# Altium PCB Intelliclone.PcbDoc (part 1 of 3)
Units mil, origin at the board's own origin, x right, y up, seen from the top; angles counter-clockwise.
Board outline 10500 x 3750 mil, 2 copper layers (Top Layer, Bottom Layer), stack 60.8 mil thick; 177 components, 173 nets, 727 pads, 193 vias.
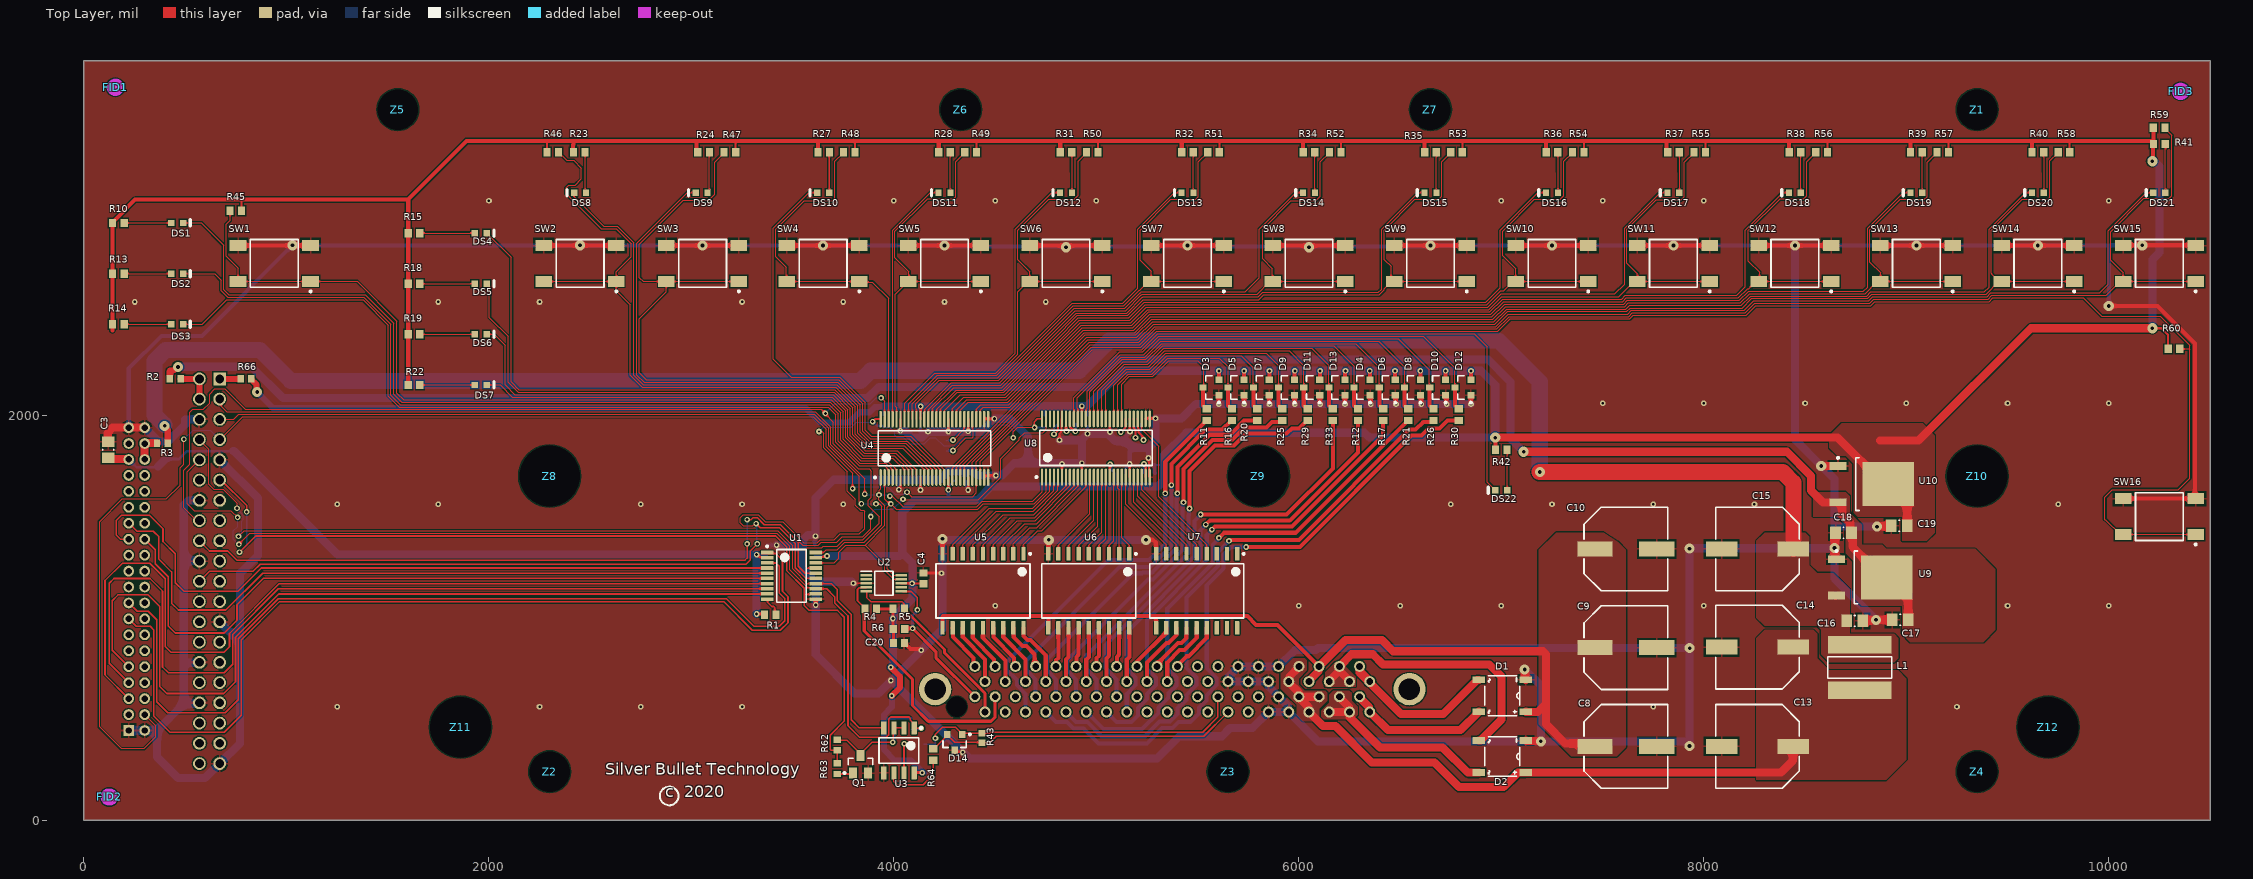
[diagram p0: Top Layer view]
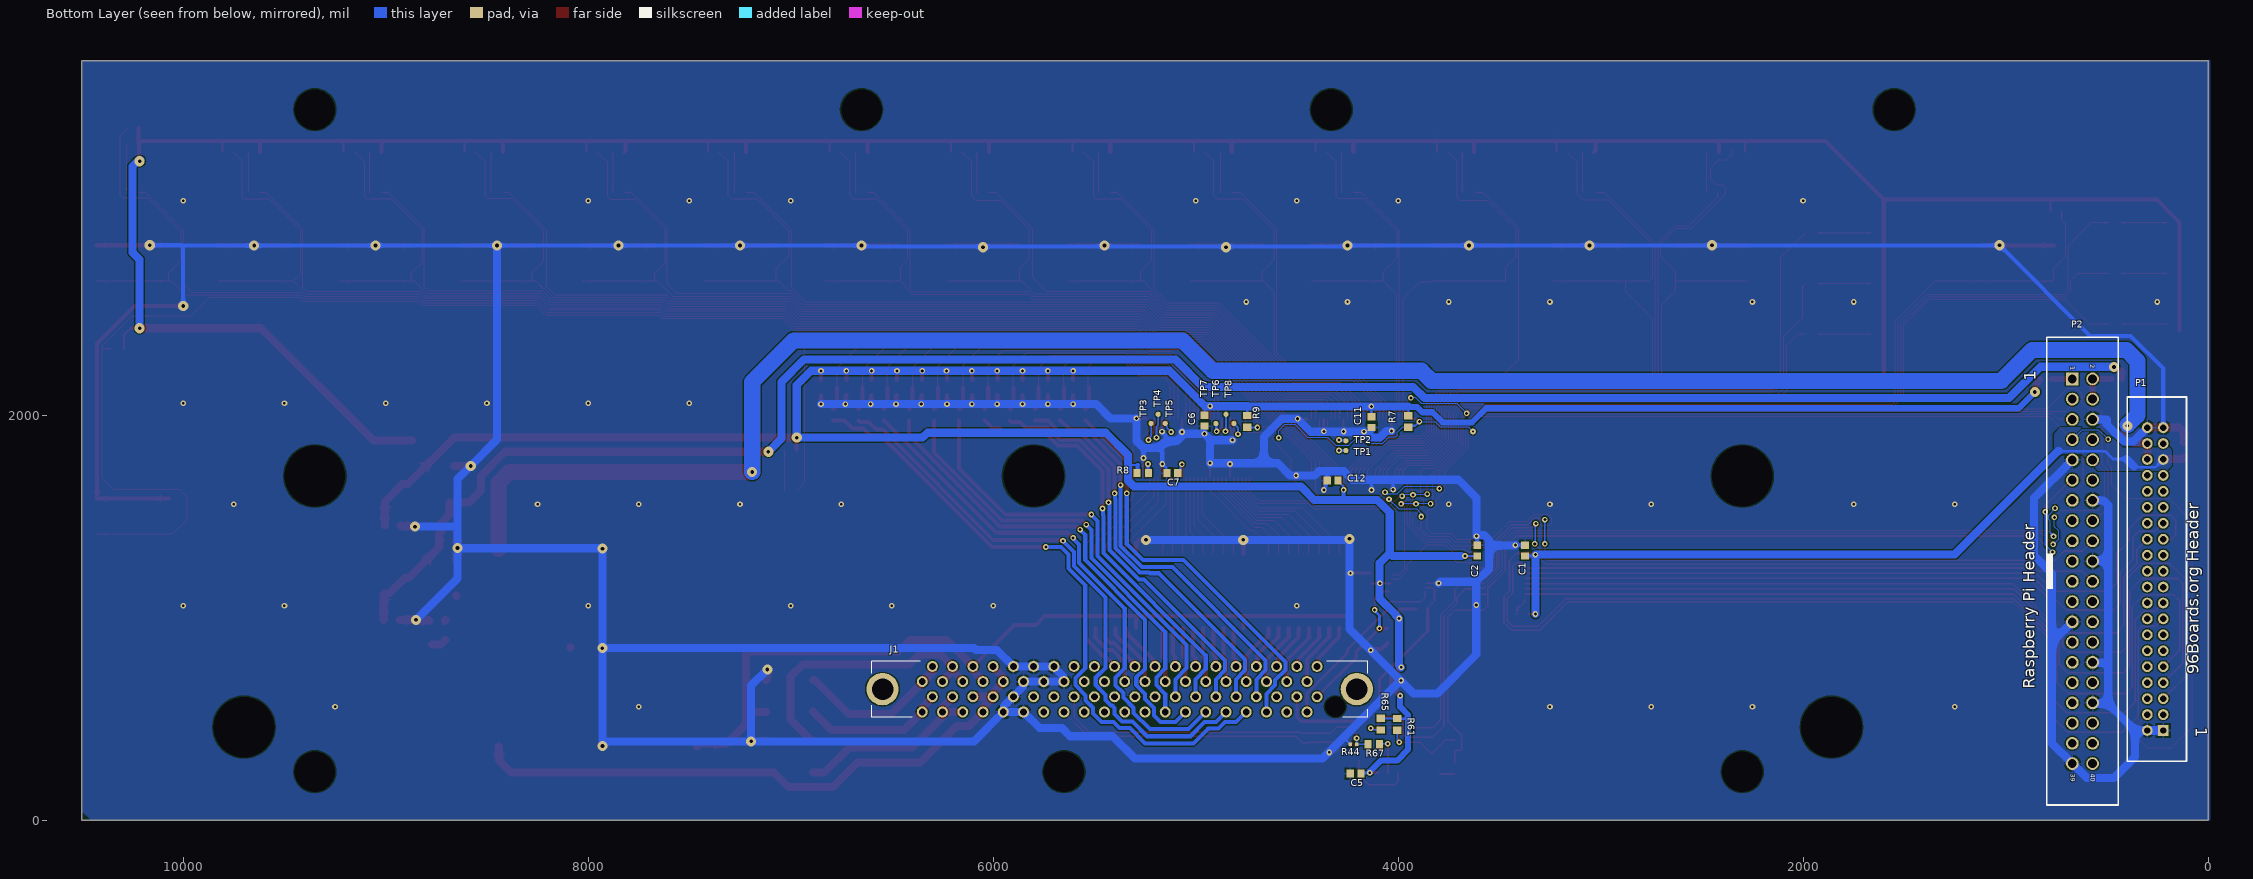
[diagram p1: Bottom Layer view, seen from below]

## Layer stack, top to bottom
Top Solder: solder mask 0.4, Solder Resist, Dk 3.5
Top Layer: signal copper 1.4
Dielectric 1: dielectric 58, FR-4, Dk 4.8
Bottom Layer: signal copper 1.4
Bottom Solder: solder mask 0.4, Solder Resist, Dk 3.5

## Board outline
0,0 10500,0 10500,3750 0,3750

## Design rules (kind name [scope] priority, off if disabled: settings)
Clearance [All] p1: gap=6 ignorepadtopadclearanceinfootprint=FALSE
HoleSize [All] p1: absolutevalues=TRUE maxlimit=300 minlimit=12 maxpercent=80.000 minpercent=20.000
MinimumAnnularRing [All] p1: minimumring=6
MinimumSolderMaskSliver [All] p1 off: minsoldermaskwidth=10
PlaneConnect [All] p1: planeconnectstyle=Direct reliefexpansion=20 reliefentries=4 reliefconductorwidth=10 reliefairgap=10
PolygonConnect PolygonConnect_GND [IsPad vs InNet('GND')] p1: connectstyle=Relief reliefconductorwidth=10 reliefentries=4 polygonreliefangle="90 Angle" airgapwidth=10
PolygonConnect [All] p2: connectstyle=Direct reliefconductorwidth=10 reliefentries=4 polygonreliefangle="90 Angle" airgapwidth=10
RoomDefinition "Leds Switches" [InComponentClass('Leds Switches')] p1 off: confinementstyle=ConfineIn formatcopy=TRUE lockcomponents=FALSE outline 10911.46,2625 11365,2625 11365,2885 10911.46,2885
RoomDefinition "Title Sheet" [InComponentClass('Title Sheet')] p2 off: confinementstyle=ConfineIn formatcopy=TRUE lockcomponents=FALSE outline 10840,2605 11625,2605 11625,2805 10840,2805
RoomDefinition Interfaces [InComponentClass('Interfaces')] p3 off: confinementstyle=ConfineIn formatcopy=TRUE lockcomponents=FALSE outline 10975,2290 11410,2290 11410,2885 10975,2885
RoutingVias [All] p1: holewidth=12 width=28 viastyle="Through Hole" minholewidth=12 minwidth=28 maxholewidth=28 maxwidth=50
SilkToSolderMaskClearance [IsPad] p1: minsilkscreentomaskgap=6 clearancetoexposedcopper=TRUE
SolderMaskExpansion [All] p1: expansion=4 istentingtop=FALSE
UnRoutedNet [All] p1: checkbadconnections=TRUE
Width [All] p1: maxlimit=100 minlimit=6 preferedwidth=6 minimp=50.000000 maximp=50.000000 favimp=50.000000
25 further rules are at their usual default settings.

## Classes and differential pairs
component class Interfaces: C1 C2 C3 C4 C5 C6 C7 C8 C9 C10 C11 C12 C13 C14 C15 C16 C17 C18 C19 C20 D1 D2 D14 J1 L1 P1 P2 Q1 R1 R2 R3 R4 R5 R6 R7 R8 R9 R43 R44 R61 R62 R63 R64 R65 R66 R67 TP1 TP2 TP3 TP4 TP5 TP6 TP7 TP8 U1 U2 U3 U4 U5 U6 U7 U8 U9 U10
component class "Title Sheet": FID1 FID2 FID3 Z1 Z2 Z3 Z4 Z5 Z6 Z7 Z8 Z9 Z10 Z11 Z12
component class "Leds Switches": D3 D4 D5 D6 D7 D8 D9 D10 D11 D12 D13 DS1 DS2 DS3 DS4 DS5 DS6 DS7 DS8 DS9 DS10 DS11 DS12 DS13 DS14 DS15 DS16 DS17 DS18 DS19 DS20 DS21 DS22 R10 R11 R12 R13 R14 R15 R16 R17 R18 R19 R20 R21 R22 R23 R24 R25 R26 R27 R28 R29 R30 R31 R32 R33 R34 R35 R36 R37 R38 R39 R40 R41 R42 R45 R46 R47 R48 R49 R50 R51 R52 R53 R54 R55 R56 R57 R58 R59 R60 SW1 SW2 SW3 SW4 SW5 SW6 SW7 SW8 SW9 SW10 SW11 SW12 SW13 SW14 SW15 SW16

## Components (designator, comment, footprint, x,y, rotation, side; value= is the part's Value field where it differs from the comment)
C1 "C0603X104K5RACTU" CAPC1608X87X35NL15T15 3373,1332 r270 bottom value=0.1uF
C2 "C0603X104K5RACTU" CAPC1608X87X35NL15T15 3609,1332 r270 bottom value=0.1uF
C3 "CAP 330nF 50V 0805(2012)" CAPC0805(2012)100_M 120,1830 r270 top value=330nF
C4 "C0603X104K5RACTU" CAPC1608X87X35NL15T15 4145,1195 r270 top value=0.1uF
C5 "C0603X104K5RACTU" CAPC1608X87X35NL15T15 4210,230 r180 bottom value=0.1uF
C6 "C0603X104K5RACTU" CAPC1608X87X35NL15T15 4955,1973.43 r90 bottom value=0.1uF
C7 "C0603X104K5RACTU" CAPC1608X87X35NL15T15 5115,1715 r180 bottom value=0.1uF
C8 "EEE-1HA221P" PNSC-EEE-1HA221P_L 7615,365 r0 top
C9 "EEE-1HA221P" PNSC-EEE-1HA221P_L 7615,852.5 r0 top
C10 "EEE-1HA221P" PNSC-EEE-1HA221P_L 7615,1340 r0 top
C11 "C0603X104K5RACTU" CAPC1608X87X35NL15T15 4131,1966.43 r90 bottom value=0.1uF
C12 "C0603X104K5RACTU" CAPC1608X87X35NL15T15 4323,1678 r180 bottom value=0.1uF
C13 "EEE-FK1V331P" PNSC-EEE-FK1V331P_L 8265,365 r180 top
C14 "EEE-FK1V331P" PNSC-EEE-FK1V331P_L 8265,855 r180 top
C15 "EEE-FK1V331P" PNSC-EEE-FK1V331P_L 8265,1340 r180 top
C16 "CAP 330nF 50V 0805(2012)" CAPC0805(2012)100_M 8745,985 r180 top value=330nF
C17 "CAP 330nF 50V 0805(2012)" CAPC0805(2012)100_M 8970,990 r0 top value=330nF
C18 "CAP 330nF 50V 0805(2012)" CAPC0805(2012)100_M 8690,1420 r0 top value=330nF
C19 "CAP 330nF 50V 0805(2012)" CAPC0805(2012)100_M 8965,1455 r0 top value=330nF
C20 "C0603X104K5RACTU" CAPC1608X87X35NL15T15 4025,875 r180 top value=0.1uF
D1 "MDB6S" FAIR-MDBXS-4_V 7005,615 r90 top
D2 "MDB6S" FAIR-MDBXS-4_V 7005,315 r90 top
D3 "BAT54SLT1G" ONSC-SOT-23-3-318-08_V 5565.63,2137.4 r180 top
D4 "BAT54SLT1G" ONSC-SOT-23-3-318-08_V 6312.25,2137.4 r180 top
D5 "BAT54SLT1G" ONSC-SOT-23-3-318-08_V 5690.07,2137.4 r180 top
D6 "BAT54SLT1G" ONSC-SOT-23-3-318-08_V 6436.69,2137.4 r180 top
D7 "BAT54SLT1G" ONSC-SOT-23-3-318-08_V 5814.5,2137.4 r180 top
D8 "BAT54SLT1G" ONSC-SOT-23-3-318-08_V 6561.13,2137.4 r180 top
D9 "BAT54SLT1G" ONSC-SOT-23-3-318-08_V 5938.94,2137.4 r180 top
D10 "BAT54SLT1G" ONSC-SOT-23-3-318-08_V 6685.56,2137.4 r180 top
D11 "BAT54SLT1G" ONSC-SOT-23-3-318-08_V 6063.38,2137.4 r180 top
D12 "BAT54SLT1G" ONSC-SOT-23-3-318-08_V 6810,2137.4 r180 top
D13 "BAT54SLT1G" ONSC-SOT-23-3-318-08_V 6187.81,2137.4 r180 top
D14 "MMBZ5V6ALT1G" ONSC-SOT-23-3-318-08_V 4300,385 r270 top
DS1 "LTST-C190KRKT" LTST-C191KRKT_V 460,2950 r0 top
DS2 "LTST-C190KRKT" LTST-C191KRKT_V 460,2700 r0 top
DS3 "LTST-C190KRKT" LTST-C191KRKT_V 460,2450 r0 top
DS4 "LTST-C190KRKT" LTST-C191KRKT_V 1960,2900 r0 top
DS5 "LTST-C190KRKT" LTST-C191KRKT_V 1960,2650 r0 top
DS6 "LTST-C190KRKT" LTST-C191KRKT_V 1960,2400 r0 top
DS7 "LTST-C190KRKT" LTST-C191KRKT_V 1960,2150 r0 top
DS8 "LTST-C190KRKT" LTST-C191KRKT_V 2450,3100 r180 top
DS9 "LTST-C190KRKT" LTST-C191KRKT_V 3050,3100 r180 top
DS10 "LTST-C190KRKT" LTST-C191KRKT_V 3650.47,3100 r180 top
DS11 "LTST-C190KRKT" LTST-C191KRKT_V 4250,3100 r180 top
DS12 "LTST-C190KRKT" LTST-C191KRKT_V 4850,3100 r180 top
DS13 "LTST-C190KRKT" LTST-C191KRKT_V 5450,3100 r180 top
DS14 "LTST-C190KRKT" LTST-C191KRKT_V 6050,3100 r180 top
DS15 "LTST-C190KRKT" LTST-C191KRKT_V 6650,3100 r180 top
DS16 "LTST-C190KRKT" LTST-C191KRKT_V 7250,3100 r180 top
DS17 "LTST-C190KRKT" LTST-C191KRKT_V 7850,3100 r180 top
DS18 "LTST-C190KRKT" LTST-C191KRKT_V 8450,3100 r180 top
DS19 "LTST-C190KRKT" LTST-C191KRKT_V 9050,3100 r180 top
DS20 "LTST-C190KRKT" LTST-C191KRKT_V 9650,3100 r180 top
DS21 "LTST-C190KRKT" LTST-C191KRKT_V 10250,3100 r180 top
DS22 "LTST-C190KRKT" LTST-C191KRKT_V 7000,1630 r180 top
FID1 "Fiducial" Fiducial10-20 155,3620 r90 top
FID2 "Fiducial" Fiducial10-20 125,115 r90 top
FID3 "Fiducial" Fiducial10-20 10355,3600 r90 top
J1 "15-92-2080" 15922080 4400,760 r180 bottom locked
L1 "SRN8040-101M" BOUR-SRN8040-101M_V 8770,755 r90 top
P1 "T2M-120-01-L-D-TH" SMTC-T2M-120-01-X-D-TH 221,443.38 r90 bottom
P2 "61204021621" 61204021621 620,1230 r270 bottom
Q1 "FDV303N" FAIR-FDV303N-3_V 3835,276.69 r90 top
R1 "ERJ-3GEYJ102V" RESC1608X55X30ML15T15 3389,1015 r0 top value=1K
R2 "ERJ-3GEY0R00V" RESC1608X55X30NL15T15 451,2180 r180 top value="0 OHMS"
R3 "ERJ-3GEY0R00V" RESC1608X55X30NL15T15 387,1863 r0 top value="0 OHMS"
R4 "ERJ3EKF1601V" RESC1608X55X30ML15T15 3885,1045 r180 top value=1.6K
R5 "ERJ3EKF1601V" RESC1608X55X30ML15T15 4023.46,1044 r0 top value=1.6K
R6 "ERJ3EKF1601V" RESC1608X55X30ML15T15 4025,945 r0 top value=1.6K
R7 "ERJ-3GEYJ102V" RESC1608X55X30ML15T15 3949,1969.54 r270 bottom value=1K
R8 "ERJ-3GEYJ102V" RESC1608X55X30ML15T15 5261.46,1715 r180 bottom value=1K
R9 "ERJ-3GEYJ102V" RESC1608X55X30ML15T15 4745,1970 r270 bottom value=1K
R10 "ERJ-3GEYJ102V" RESC1608X55X30ML15T15 170,2950 r0 top value=1K
R11 "ERJ-3GEYJ102V" RESC1608X55X30ML15T15 5545,2003.54 r270 top value=1K
R12 "ERJ-3GEYJ102V" RESC1608X55X30ML15T15 6292,2003.54 r270 top value=1K
R13 "ERJ-3GEYJ102V" RESC1608X55X30ML15T15 170,2700 r0 top value=1K
R14 "ERJ-3GEYJ102V" RESC1608X55X30ML15T15 170,2450 r0 top value=1K
R15 "ERJ-3GEYJ102V" RESC1608X55X30ML15T15 1630,2900 r0 top value=1K
R16 "ERJ-3GEYJ102V" RESC1608X55X30ML15T15 5669.5,2003.54 r270 top value=1K
R17 "ERJ-3GEYJ102V" RESC1608X55X30ML15T15 6416.5,2003.54 r270 top value=1K
R18 "ERJ-3GEYJ102V" RESC1608X55X30ML15T15 1630,2650 r0 top value=1K
R19 "ERJ-3GEYJ102V" RESC1608X55X30ML15T15 1630,2400 r0 top value=1K
R20 "ERJ-3GEYJ102V" RESC1608X55X30ML15T15 5794,2003.54 r270 top value=1K
R21 "ERJ-3GEYJ102V" RESC1608X55X30ML15T15 6541,2003.54 r270 top value=1K
R22 "ERJ-3GEYJ102V" RESC1608X55X30ML15T15 1630,2150 r0 top value=1K
R23 "ERJ-3GEYJ102V" RESC1608X55X30ML15T15 2446.46,3300 r0 top value=1K
R24 "ERJ-3GEYJ102V" RESC1608X55X30ML15T15 3060,3300 r0 top value=1K
R25 "ERJ-3GEYJ102V" RESC1608X55X30ML15T15 5918.5,2003.54 r270 top value=1K
R26 "ERJ-3GEYJ102V" RESC1608X55X30ML15T15 6665,2003.54 r270 top value=1K
R27 "ERJ-3GEYJ102V" RESC1608X55X30ML15T15 3653.54,3300 r0 top value=1K
R28 "ERJ-3GEYJ102V" RESC1608X55X30ML15T15 4250,3300 r0 top value=1K
R29 "ERJ-3GEYJ102V" RESC1608X55X30ML15T15 6043,2003.54 r270 top value=1K
R30 "ERJ-3GEYJ102V" RESC1608X55X30ML15T15 6790,2003.54 r270 top value=1K
R31 "ERJ-3GEYJ102V" RESC1608X55X30ML15T15 4850,3300 r0 top value=1K
R32 "ERJ-3GEYJ102V" RESC1608X55X30ML15T15 5450,3300 r0 top value=1K
R33 "ERJ-3GEYJ102V" RESC1608X55X30ML15T15 6167.5,2003.54 r270 top value=1K
R34 "ERJ-3GEYJ102V" RESC1608X55X30ML15T15 6050,3300 r0 top value=1K
R35 "ERJ-3GEYJ102V" RESC1608X55X30ML15T15 6650,3300 r0 top value=1K
R36 "ERJ-3GEYJ102V" RESC1608X55X30ML15T15 7250,3300 r0 top value=1K
R37 "ERJ-3GEYJ102V" RESC1608X55X30ML15T15 7850,3300 r0 top value=1K
R38 "ERJ-3GEYJ102V" RESC1608X55X30ML15T15 8450,3300 r0 top value=1K
R39 "ERJ-3GEYJ102V" RESC1608X55X30ML15T15 9050,3300 r0 top value=1K
R40 "ERJ-3GEYJ102V" RESC1608X55X30ML15T15 9650,3300 r0 top value=1K
R41 "ERJ-3GEYJ102V" RESC1608X55X30ML15T15 10250,3340 r0 top value=1K
R42 "ERJ-3GEYJ102V" RESC1608X55X30ML15T15 7000,1830 r0 top value=1K
R43 "DNI" RESC1608X55X30LL20T20 4435,406.38 r270 top
R44 "2.2K" RESC1005X40X25LL05T05 4220,375 r180 bottom
R45 "ERJ-3GEYJ102V" RESC1608X55X30ML15T15 750,3010 r180 top value=1K
R46 "ERJ-3GEYJ102V" RESC1608X55X30ML15T15 2315,3300 r0 top value=1K
R47 "ERJ-3GEYJ102V" RESC1608X55X30ML15T15 3190,3300 r180 top value=1K
R48 "ERJ-3GEYJ102V" RESC1608X55X30ML15T15 3780,3300 r180 top value=1K
R49 "ERJ-3GEYJ102V" RESC1608X55X30ML15T15 4378.54,3300 r180 top value=1K
R50 "ERJ-3GEYJ102V" RESC1608X55X30ML15T15 4980,3300 r180 top value=1K
R51 "ERJ-3GEYJ102V" RESC1608X55X30ML15T15 5578.54,3300 r180 top value=1K
R52 "ERJ-3GEYJ102V" RESC1608X55X30ML15T15 6180,3300 r180 top value=1K
R53 "ERJ-3GEYJ102V" RESC1608X55X30ML15T15 6778.54,3300 r180 top value=1K
R54 "ERJ-3GEYJ102V" RESC1608X55X30ML15T15 7380,3300 r180 top value=1K
R55 "ERJ-3GEYJ102V" RESC1608X55X30ML15T15 7980,3300 r180 top value=1K
R56 "ERJ-3GEYJ102V" RESC1608X55X30ML15T15 8581.46,3300 r180 top value=1K
R57 "ERJ-3GEYJ102V" RESC1608X55X30ML15T15 9180,3300 r180 top value=1K
R58 "ERJ-3GEYJ102V" RESC1608X55X30ML15T15 9778.54,3300 r180 top value=1K
R59 "ERJ-3GEYJ102V" RESC1608X55X30ML15T15 10248.54,3420 r0 top value=1K
R60 "ERJ-3GEYJ102V" RESC1608X55X30ML15T15 10322,2328 r0 top value=1K
R61 "ERJ-3GEYJ102V" RESC1608X55X30ML15T15 4005,473.54 r270 bottom value=1K
R62 "ERJ-3GEY0R00V" RESC1608X55X30NL15T15 3720,371.57 r90 top value=DNI
R63 "ERJ-3GEY0R00V" RESC1608X55X30NL15T15 3720,255 r270 top value=DNI
R64 "10" RESC1608X55X30ML15T15 4195,325 r90 top
R65 "ERJ-3GEYJ102V" RESC1608X55X30ML15T15 4085,475 r270 bottom value=1K
R66 "ERJ-3GEY0R00V" RESC1608X55X30NL15T15 800,2180 r180 top value=DNI
R67 "10" RESC1608X55X30ML15T15 4120,375 r0 bottom
SW1 "Switch_TE_3-1437566-8_eec" TECO-FSM6JSMA_V 940,2750 r270 top locked
SW2 "Switch_TE_3-1437566-8_eec" TECO-FSM6JSMA_V 2450,2750 r270 top locked
SW3 "Switch_TE_3-1437566-8_eec" TECO-FSM6JSMA_V 3055,2750 r270 top locked
SW4 "Switch_TE_3-1437566-8_eec" TECO-FSM6JSMA_V 3650,2750 r270 top locked
SW5 "Switch_TE_3-1437566-8_eec" TECO-FSM6JSMA_V 4250,2750 r270 top locked
SW6 "Switch_TE_3-1437566-8_eec" TECO-FSM6JSMA_V 4850,2750 r270 top locked
SW7 "Switch_TE_3-1437566-8_eec" TECO-FSM6JSMA_V 5450,2750 r270 top locked
SW8 "Switch_TE_3-1437566-8_eec" TECO-FSM6JSMA_V 6050,2750 r270 top locked
SW9 "Switch_TE_3-1437566-8_eec" TECO-FSM6JSMA_V 6650,2750 r270 top locked
SW10 "Switch_TE_3-1437566-8_eec" TECO-FSM6JSMA_V 7250,2750 r270 top locked
SW11 "Switch_TE_3-1437566-8_eec" TECO-FSM6JSMA_V 7850,2750 r270 top locked
SW12 "Switch_TE_3-1437566-8_eec" TECO-FSM6JSMA_V 8450,2750 r270 top locked
SW13 "Switch_TE_3-1437566-8_eec" TECO-FSM6JSMA_V 9050,2750 r270 top locked
SW14 "Switch_TE_3-1437566-8_eec" TECO-FSM6JSMA_V 9650,2750 r270 top locked
SW15 "Switch_TE_3-1437566-8_eec" TECO-FSM6JSMA_V 10250,2750 r270 top locked
SW16 "Switch_TE_3-1437566-8_eec" TECO-FSM6JSMA_V 10250,1500 r270 top locked
TP1 "Testpoint" TP/SMT 4258,1826 r90 bottom
TP2 "Testpoint" TP/SMT 4258,1874 r90 bottom
TP3 "Testpoint" TP/SMT 5220,1960 r270 bottom
TP4 "Testpoint" TP/SMT 5185,2005 r270 bottom
TP5 "Testpoint" TP/SMT 5150,1960 r270 bottom
TP6 "Testpoint" TP/SMT 4900,1959 r270 bottom
TP7 "Testpoint" TP/SMT 4850,2005 r270 bottom
TP8 "Testpoint" TP/SMT 4811,1960 r270 bottom
U1 "TXS0108EPWR" PW0020A_M 3493.92,1207.39 r0 top
U2 "ADS1015BQDGSRQ1" SOP50P490X110-10N 3950,1170 r0 top
U3 "SN65HVD72D" D0008A_M 4025,345 r270 top
U4 "PCA9698DGG,518" NXP-SOT364-1_M 4200,1837 r90 top
U5 "ULN2803ADWR" DW0018A_L 4440,1133.07 r270 top
U6 "ULN2803ADWR" DW0018A_L 4962.5,1133.07 r270 top
U7 "ULN2803ADWR" DW0018A_L 5495,1133.07 r270 top
U8 "PCA9698DGG,518" NXP-SOT364-1_M 4997.32,1838.7 r90 top
U9 "LD1117DT50CTR" TO-252_N 8822.32,1199.76 r0 top
U10 "LD1117DT33TR" TO-252_N 8830,1660 r0 top
Z1 "HOLE" MTG-200-NP#1 9350,3550 r0 top
Z2 "HOLE" MTG-200-NP#2 2300,240 r0 top
Z3 "HOLE" MTG-200-NP#2 5650,240 r0 top
Z4 "HOLE" MTG-200-NP#2 9350,240 r0 top
Z5 "HOLE" MTG-200-NP#1 1550,3550 r0 top
Z6 "HOLE" MTG-200-NP#1 4330,3550 r0 top
Z7 "HOLE" MTG-200-NP#1 6650,3550 r0 top
Z8 "HOLE" MTG-300-NP#1 2300,1700 r0 top
Z9 "HOLE" MTG-300-NP#1 5800,1700 r0 top
Z10 "HOLE" MTG-300-NP#1 9350,1700 r0 top
Z11 "HOLE" MTG-300-NP#2 1880,460 r0 top
Z12 "HOLE" MTG-300-NP#1 9700,460 r0 top

## Footprints (in the part's own frame and the unit in brackets; to place one, negate y for a bottom-side part, rotate by r counter-clockwise, add the part's x,y. Pads: shape width x height; smd on the part's side, far side on the other; paste and mask are expansions set on the pad)
15922080 [mm]
  round 1.381 hole 0.85: 1(0,0) 2(0,-3.81) 3(-1.27,-1.905) 4(-1.27,-5.715) 5(-2.54,0) 6(-2.54,-3.81) 7(-3.81,-1.905) 8(-3.81,-5.715) 9(-5.08,0) 10(-5.08,-3.81) 11(-6.35,-1.905) 12(-6.35,-5.715) 13(-7.62,0) 14(-7.62,-3.81) 15(-8.89,-1.905) 16(-8.89,-5.715) 17(-10.16,0) 18(-10.16,-3.81) 19(-11.43,-1.905) 20(-11.43,-5.715) 21(-12.7,0) 22(-12.7,-3.81) 23(-13.97,-1.905) 24(-13.97,-5.715) 25(-15.24,0) 26(-15.24,-3.81) 27(-16.51,-1.905) 28(-16.51,-5.715) 29(-17.78,0) 30(-17.78,-3.81) 31(-19.05,-1.905) 32(-19.05,-5.715) 33(-20.32,0) 34(-20.32,-3.81) 35(-21.59,-1.905) 36(-21.59,-5.715) 37(-22.86,0) 38(-22.86,-3.81) 39(-24.13,-1.905) 40(-24.13,-5.715) 41(-25.4,0) 42(-25.4,-3.81) 43(-26.67,-1.905) 44(-26.67,-5.715) 45(-27.94,0) 46(-27.94,-3.81) 47(-29.21,-1.905) 48(-29.21,-5.715) 49(-30.48,0) 50(-30.48,-3.81) 51(-31.75,-1.905) 52(-31.75,-5.715) 53(-33.02,0) 54(-33.02,-3.81) 55(-34.29,-1.905) 56(-34.29,-5.715) 57(-35.56,0) 58(-35.56,-3.81) 59(-36.83,-1.905) 60(-36.83,-5.715) 61(-38.1,0) 62(-38.1,-3.81) 63(-39.37,-1.905) 64(-39.37,-5.715) 65(-40.64,0) 66(-40.64,-3.81) 67(-41.91,-1.905) 68(-41.91,-5.715) 69(-43.18,0) 70(-43.18,-3.81) 71(-44.45,-1.905) 72(-44.45,-5.715) 73(-45.72,0) 74(-45.72,-3.81) 75(-46.99,-1.905) 76(-46.99,-5.715) 77(-48.26,0) 78(-48.26,-3.81) 79(-49.53,-1.905) 80(-49.53,-5.715)
  round 4.05 hole 2.7: MH1(4.985,-2.857) MH2(-54.515,-2.857)
  round 1.27 hole 2.54 unplated: MH3(2.285,-5.057)
  silkscreen extent -55.86,-6.36 6.33,0.64, body extent -55.88,-6.35 6.32,0.66, height 9.19
61204021621 [mm] "40 pins, straight, gold plating"
  rect 1.6x1.6 hole 1.1: 1(-24.13,-1.27)
  round 1.6 hole 1.1: 2(-24.13,1.27) 3(-21.59,-1.27) 4(-21.59,1.27) 5(-19.05,-1.27) 6(-19.05,1.27) 7(-16.51,-1.27) 8(-16.51,1.27) 9(-13.97,-1.27) 10(-13.97,1.27) 11(-11.43,-1.27) 12(-11.43,1.27) 13(-8.89,-1.27) 14(-8.89,1.27) 15(-6.35,-1.27) 16(-6.35,1.27) 17(-3.81,-1.27) 18(-3.81,1.27) 19(-1.27,-1.27) 20(-1.27,1.27) 21(1.27,-1.27) 22(1.27,1.27) 23(3.81,-1.27) 24(3.81,1.27) 25(6.35,-1.27) 26(6.35,1.27) 27(8.89,-1.27) 28(8.89,1.27) 29(11.43,-1.27) 30(11.43,1.27) 31(13.97,-1.27) 32(13.97,1.27) 33(16.51,-1.27) 34(16.51,1.27) 35(19.05,-1.27) 36(19.05,1.27) 37(21.59,-1.27) 38(21.59,1.27) 39(24.13,-1.27) 40(24.13,1.27)
  silkscreen extent -29.33,-4.5 29.33,4.5, body extent -29.23,-4.42 29.23,4.75, height 9.13
BOUR-SRN8040-101M_V [mm] "SMD, 2-Leads, Body 8x8mm"
  rect 2.2x8 smd: 1(-2.85,0) 2(2.85,0)
  silkscreen extent -1.35,-4 1.35,4, body extent -4,-4 4,4, height 4
CAPC0805(2012)100_M [mm] "Chip Capacitor, Body 2.0x1.2mm, Height 1.0mm, IPC Low Density"
  rect 1.35x1.55 smd: 1(-1,0) 2(1,0)
  silkscreen extent -0.05,-0.67 0.05,0.67, body extent -1.1,-0.72 1.1,0.72, height 1
CAPC1608X87X35NL15T15 [mm] "Chip Capacitor, 2-Leads, Body 1.60x0.80mm, IPC Medium Density"
  rect 0.9x1 smd: 1(-0.675,0) 2(0.675,0)
  body extent -0.87,-0.48 0.87,0.47, height 0.87
D0008A_M [mm] "SOIC, 8-Leads, Body 5x4mm, Pitch 1.27mm, IPC Low Density"
  rrect15% 1.65x0.65 smd: 1(-2.825,1.905) 2(-2.825,0.635) 3(-2.825,-0.635) 4(-2.825,-1.905) 5(2.825,-1.905) 6(2.825,-0.635) 7(2.825,0.635) 8(2.825,1.905)
  silkscreen extent -2.95,-2.5 1.6,2.91, body extent -3,-2.45 3,2.45, height 1.63
DW0018A_L [mm] "SOIC, 18-Leads, Body 11.8x7.6mm, Pitch 1.27mm, IPC High Density"
  rrect18% 1.7x0.55 smd: 1(-4.65,5.08) 2(-4.65,3.81) 3(-4.65,2.54) 4(-4.65,1.27) 5(-4.65,0) 6(-4.65,-1.27) 7(-4.65,-2.54) 8(-4.65,-3.81) 9(-4.65,-5.08) 10(4.65,-5.08) 11(4.65,-3.81) 12(4.65,-2.54) 13(4.65,-1.27) 14(4.65,0) 15(4.65,1.27) 16(4.65,2.54) 17(4.65,3.81) 18(4.65,5.08)
  silkscreen extent -4.77,-5.9 3.4,6.03, body extent -3.8,-5.9 3.8,5.9, height 2.65
FAIR-FDV303N-3_V [mm] "SOT23, 3-Leads, Body 3.12x1.50mm, Pitch 0.95mm"
  rect 1.4x1 smd: 1(-1.1,0.95) 2(-1.1,-0.95) 3(1.1,0)
  silkscreen extent -1.22,-1.55 0.75,2.12, body extent -0.75,-1.56 0.75,1.56, height 1.2
FAIR-MDBXS-4_V [mm] "Micro-DIP, 4-Leads, Body 5x4.4mm, Height 1.6mm"
  rect 0.85x1.55 smd: 1(-2,-2.95) 2(2,-2.95) 3(2,2.95) 4(-2,2.95)
  silkscreen extent -2.5,-2.2 2.5,2.2, body extent -2.5,-2.2 2.5,2.2, height 1.6
Fiducial10-20 [mm]
  round 1 smd mask+0.5: 1(0,0)
  Top Layer keep-out circle w1.178: c0,0 r0.5
LTST-C191KRKT_V [mm] "SMD, 2-Leads, Body 1.6x0.8mm"
  rect 0.8x0.8 smd: 1(-0.75,0) 2(0.75,0)
  silkscreen extent 1.65,-0.4 1.65,0.4, body extent -0.8,-0.4 0.8,0.4, height 0.9
MTG-200-NP#1 [mil] "Non-plated .200\" hole"
  round 0 hole 200 unplated paste+0 mask+0: 1(0,-40)
MTG-200-NP#2 [mil] "Non-plated .200\" hole"
  round 0 hole 200 unplated paste+0 mask+0: 1(0,0)
MTG-300-NP#1 [mil] "Non-plated .300\" hole"
  round 0 hole 300 unplated paste+0 mask+0: 1(0,0)
MTG-300-NP#2 [mil] "Non-plated .300\" hole"
  round 0 hole 300 unplated paste+0 mask+0: 1(-20,0)
NXP-SOT364-1_M [mm] "TSSOP, 56-Leads, Body 14.1x6.2mm, Pitch 0.50mm, IPC Low Density"
  oval 2.1x0.3 smd: 1(-3.65,6.75) 2(-3.65,6.25) 3(-3.65,5.75) 4(-3.65,5.25) 5(-3.65,4.75) 6(-3.65,4.25) 7(-3.65,3.75) 8(-3.65,3.25) 9(-3.65,2.75) 10(-3.65,2.25) 11(-3.65,1.75) 12(-3.65,1.25) 13(-3.65,0.75) 14(-3.65,0.25) 15(-3.65,-0.25) 16(-3.65,-0.75) 17(-3.65,-1.25) 18(-3.65,-1.75) 19(-3.65,-2.25) 20(-3.65,-2.75) 21(-3.65,-3.25) 22(-3.65,-3.75) 23(-3.65,-4.25) 24(-3.65,-4.75) 25(-3.65,-5.25) 26(-3.65,-5.75) 27(-3.65,-6.25) 28(-3.65,-6.75) 29(3.65,-6.75) 30(3.65,-6.25) 31(3.65,-5.75) 32(3.65,-5.25) 33(3.65,-4.75) 34(3.65,-4.25) 35(3.65,-3.75) 36(3.65,-3.25) 37(3.65,-2.75) 38(3.65,-2.25) 39(3.65,-1.75) 40(3.65,-1.25) 41(3.65,-0.75) 42(3.65,-0.25) 43(3.65,0.25) 44(3.65,0.75) 45(3.65,1.25) 46(3.65,1.75) 47(3.65,2.25) 48(3.65,2.75) 49(3.65,3.25) 50(3.65,3.75) 51(3.65,4.25) 52(3.65,4.75) 53(3.65,5.25) 54(3.65,5.75) 55(3.65,6.25) 56(3.65,6.75)
  silkscreen extent -3.77,-7.05 2.2,7.57, body extent -3.1,-7.05 3.1,7.05, height 1.2
ONSC-SOT-23-3-318-08_V [mm] "SOT23, 3-Leads, Body 2.92x1.3mm, Pitch 0.95mm"
  rect 0.9x0.8 smd: 1(-1,0.95) 2(-1,-0.95) 3(1,0)
  silkscreen extent -1.13,-1.46 0.65,2.02, body extent -0.65,-1.46 0.65,1.46, height 1.11
PNSC-EEE-1HA221P_L [mm] "Aluminum Electrolytic Capacitor, 2-Leads, Body 10.5x10.5mm, IPC High Density"
  rect 4.4x1.9 smd: 1(-3.875,0) 2(3.875,0)
  silkscreen extent -5.25,-5.25 5.25,5.25, body extent -5.36,-5.25 5.36,5.25, height 10.5
PNSC-EEE-FK1V331P_L [mm] "CAPAE, 2-Leads, Body 10.5x10.5mm, IPC High Density"
  rect 3.95x1.9 smd: 1(-4.5,0) 2(4.5,0)
  silkscreen extent -5.25,-5.25 5.25,5.25, body extent -6,-5.25 6,5.25, height 10.5
PW0020A_M [mm] "SOP, 20-Leads, Body 6.6x4.5mm, Pitch 0.65mm, IPC Low Density"
  rrect22% 1.6x0.45 smd: 1(-3.05,2.925) 2(-3.05,2.275) 3(-3.05,1.625) 4(-3.05,0.975) 5(-3.05,0.325) 6(-3.05,-0.325) 7(-3.05,-0.975) 8(-3.05,-1.625) 9(-3.05,-2.275) 10(-3.05,-2.925) 11(3.05,-2.925) 12(3.05,-2.275) 13(3.05,-1.625) 14(3.05,-0.975) 15(3.05,-0.325) 16(3.05,0.325) 17(3.05,0.975) 18(3.05,1.625) 19(3.05,2.275) 20(3.05,2.925)
  silkscreen extent -3.17,-3.3 1.85,3.82, body extent -3.21,-3.25 3.21,3.25, height 1
RESC1005X40X25LL05T05 [mm] "Chip Resistor, 2-Leads, Body 1.05x0.55mm, IPC High Density"
  rect 0.45x0.45 smd: 1(-0.4,0) 2(0.4,0)
  body extent -0.53,-0.28 0.53,0.28, height 0.4
RESC1608X55X30LL20T20 [mm] "Chip Resistor, 2-Leads, Body 1.60x0.80mm, IPC High Density"
  rect 0.8x0.9 smd: 1(-0.6,0) 2(0.6,0)
  body extent -0.9,-0.5 0.9,0.5, height 0.55
RESC1608X55X30ML15T15 [mm] "Chip Resistor, 2-Leads, Body 1.60x0.80mm, IPC Low Density"
  rect 0.9x1.05 smd: 1(-0.725,0) 2(0.725,0)
  body extent -0.87,-0.48 0.87,0.48, height 0.55
RESC1608X55X30NL15T15 [mm] "Chip Resistor, 2-Leads, Body 1.60x0.80mm, IPC Medium Density"
  rect 0.8x0.95 smd: 1(-0.675,0) 2(0.675,0)
  body extent -0.87,-0.48 0.87,0.48, height 0.55
SMTC-T2M-120-01-X-D-TH [mm] "Shrouded Terminal Strip, 2x20 Pins, Vertical, 2mm Pitch, Male"
  rect 1.35x1.35 hole 0.813: 1(0,0)
  round 1.35 hole 0.813: 2(0,2) 3(2,0) 4(2,2) 5(4,0) 6(4,2) 7(6,0) 8(6,2) 9(8,0) 10(8,2) 11(10,0) 12(10,2) 13(12,0) 14(12,2) 15(14,0) 16(14,2) 17(16,0) 18(16,2) 19(18,0) 20(18,2) 21(20,0) 22(20,2) 23(22,0) 24(22,2) 25(24,0) 26(24,2) 27(26,0) 28(26,2) 29(28,0) 30(28,2) 31(30,0) 32(30,2) 33(32,0) 34(32,2) 35(34,0) 36(34,2) 37(36,0) 38(36,2) 39(38,0) 40(38,2)
  silkscreen extent -3.83,-2.92 41.84,4.52, body extent -3.84,-2.91 41.84,4.52, height 5.79
SOP50P490X110-10N [mm]
  rect 1.4x0.3 smd: 1(-2.2,1) 2(-2.2,0.5) 3(-2.2,0) 4(-2.2,-0.5) 5(-2.2,-1) 6(2.2,-1) 7(2.2,-0.5) 8(2.2,0) 9(2.2,0.5) 10(2.2,1)
  silkscreen extent -2.9,-1.5 1.15,1.5, body extent -2.45,-1.5 2.45,1.5, height 1.1
TECO-FSM6JSMA_V [mm] "SMD, 4-Leads, Body 6x6mm, Pitch 4.5mm"
  rect 1.4x2.1 smd: 1(2.25,4.55) 2(2.25,-4.55) 3(-2.25,4.55) 4(-2.25,-4.55)
  silkscreen extent -3,-3 3.62,4.68, body extent -3,-5 3,5, height 7.11
TO-252_N [mm] "D-PAK, 4-Leads, Body 6.1x6.5mm, Pitch 2.28mm, Lead Span 9.7mm, IPC Medium Density"
  rect 2.1x0.95 smd: 1(-4.25,2.28) 3(-4.25,-2.28)
  rect 6.5x5.5 smd: 4(2.05,0)
  silkscreen extent -4.37,-3.3 -1.6,3.43, body extent -2,-3.3 4.2,3.3, height 2.4
TP/SMT [mm]
  round 0.65 smd paste-1: 1(0,0)

## Part data
C1 C2 C4 C5 C6 C7 C11 C12 C20: library part CMP-2006-03300-1, Manufacturer=Kemet, Part Number=C0603X104K5RACTU
C3 C16 C17 C18 C19: library part CMP-1036-04607-1, "CAP 330nF 50V ±10% 0805 (2012 Metric) Thickness 1mm SMD", Case-EIA=0805, Case-Metric=2012, Rated Voltage="50 V", Tolerance=Â±10%, Max Thickness="1 mm", Technology=SMT
C8 C9 C10: library part CMP-2000-06200-1, "Aluminum Electrolytic Capacitor, 220 uF, +/- 20%, 50 V, -40 to 85 degC, 2-Pin SMD, RoHS, Tape and Reel", AE Capacitor Case=RadialCan-SMD, Capacitance=220µF, Capacitance Tolerance=±20%, Life Time @ Temperature=2000hours@85°C, Manufacturer=Panasonic, Operating Temperature Max=85°C, Operating Temperature Min=-40°C, Package Description="2-Pin Surface Mount Device, Body 10.3 x 10.3 mm", Package Reference=SMD, Ripple Current AC=300mA, Voltage Rating=50V, Capacitance Tolerance ±=±20%, Capacitor Case Style=RadialCan-SMD, Datasheet URL=http://datasheet.octopart.com/EEE-1HA221P-Panasonic-datasheet-13265900.pdf, Datasheet Version=11/2012, Diameter=10mm, Height=10.2mm, Lifetime @ Temperature=2000hours@85°C, Manufacturer URL=http://www.panasonic.com/, Mounting Technology=SurfaceMount, Packaging=CutTape, Product Range=PANASONIC-SSeries, SVHC=ToBeAdvised
C13 C14 C15: library part CMP-2000-06212-1, "Aluminum Electrolytic Capacitor, 330 uF, 35 V, -55 to 105 degC, 2-Pin CAPAE, RoHS, Tape and Reel", Capacitance=330µF, Case Size/Dimension=Ø10x10.2mm, Lifetime@Temperature=2000Hrs@105°C, Manufacturer=Panasonic, Operating Temp-Max=105°C, Operating Temp Range=-55to+105°C, Package Description="2-Pin Capacitor Aluminum Electrolytic, Body 10.3 x 10.3 mm, Height 10.5 mm", Rated Voltage=35V, Ripple Current=850mA, Datasheet URL=https://datasheet.ciiva.com/29313/443481-da-01-en-smd-elko-vfk-g-330-uf-35v-29313592.pdf, Datasheet Version=07/2008, Impedance=0.08O, Manufacturer URL=http://www.panasonic.com/, Mounting Technology=SurfaceMount, Package Reference=EEE-FK1V331P, Series=FK, Type=Can
D1 D2: library part CMP-0950-00003-1, "600 V, 1 A, Single-Phase Bridge Rectifier, -55 to 150 degC, 4-Pin 5 x 4.4 x 1.6 mm MicroDIP, RoHS, Tape and Reel", Manufacturer="Fairchild Semiconductor", Temp. Range="-55 to 150 degC", CJ="10 pF", ComponentLink1Description="Manufacturer URL", ComponentLink1URL=http://www.fairchildsemi.com/, ComponentLink2Description=Datasheet, ComponentLink2URL=http://www.fairchildsemi.com/ds/MD/MDB10S.pdf, DatasheetVersion="Rev. 1.2.1", IF (AV)="1 A", IFSM="30 A", IR="10 uA", Mounting Technology="Surface Mount", PackageDescription="4-Pin Micro Surface Mount, Body 5 x 4.4 mm, Height 1.6 mm", PackageReference=MDBXS-4, Packing="Tape and Reel", PartNumber=MDB6S, RoHS=TRUE, VF="1.1 V", VRRM="600 V"
D3 D4 D5 D6 D7 D8 D9 D10 D11 D12 D13: library part CMP-1055-00536-1, "Dual Series Schottky Barrier Diodes, 3-Pin SOT-23, Pb-Free, Tape and Reel", Manufacturer="On Semiconductor", ComponentLink1Description="Manufacturer URL", ComponentLink1URL=http://www.onsemi.com/, ComponentLink2Description=Datasheet, ComponentLink2URL=http://www.onsemi.cn/pub_link/Collateral/BAT54SLT1-D.PDF, ComponentLink3Description="Package Specification", ComponentLink3URL=http://www.onsemi.cn/pub_link/Collateral/318-08.PDF, Configuration=Dual, DatasheetVersion="Rev. 15", IFSM Max (A)=0.6, Mounting Technology="Surface Mount", PackageDescription="3-Pin Small Outline Transistor, Body 2.92 x 1.3 mm, Pitch 0.95 mm", PackageReference=SOT-23-3-318-08, PackageVersion="Rev. AP, 11/2009", Packing="Tape and Reel", PartNumber=BAT54SLT1G, RoHS=TRUE, trr Max (ns)=5
D14: library part CMP-1060-01222-1, "24 W Peak Power Zener Transient Voltage Suppressor, Dual Common Anode Zeners for ESD Protection, 3-Pin SOT-23, Pb-Free, Tape and Reel", Manufacturer="On Semiconductor", ComponentLink1Description="Manufacturer URL", ComponentLink1URL=http://www.onsemi.com/, ComponentLink2Description=Datasheet, ComponentLink2URL=http://www.onsemi.cn/pub_link/Collateral/MMBZ5V6ALT1-D.PDF, ComponentLink3Description="Package Specification", ComponentLink3URL=http://www.onsemi.cn/pub_link/Collateral/318-08.PDF, DatasheetVersion="Rev. 13", Mounting Technology="Surface Mount", PackageDescription="3-Pin Small Outline Transistor, Body 2.92 x 1.3 mm, Pitch 0.95 mm", PackageReference=SOT-23-3-318-08, PackageVersion="Rev. AP, 11/2009", Packing="Tape and Reel", PartNumber=MMBZ5V6ALT1G, RoHS=Pb-Free, VZ Typ (V)=5.6
DS1 DS2 DS3 DS4 DS5 DS6 DS7 DS8 DS9 DS10 DS11 DS12 DS13 DS14 DS15 DS16 DS17 DS18 DS19 DS20 DS21 DS22: library part CMP-1674-00011-1, "LED Uni-Color Red, 62.5 mW, 5 V, -30 to 85 degC, 2-Pin SMD, RoHS, Tape and Reel", Capacitance="100 uF", Case\Package=Radial, Max Operating Temperature="85 degC", Min Operating Temperature="-40 degC", Package Quantity=200, Tolerance=20%, Voltage Rating="50 V", ComponentLink1Description="Manufacturer URL", ComponentLink1URL=http://www.us.liteon.com/, ComponentLink2Description=Datasheet, ComponentLink2URL=http://optoelectronics.liteon.com/upload/download/DS-22-99-0151/S_110_LTST-C190KRKT.pdf, DatasheetVersion="Rev. F, 05/2013", Diameter="8 mm", Height="11.5 mm", Lead Pitch="3.5 mm", Length="11.5 mm", Mount="Through Hole", PackageDescription="2-Pin Surface Mount Device, Body 1.6 x 0.8 mm", PackageReference=C191KRKT, Packaging=Bulk, Pins=2, Radiation Hardening=No, REACH SVHC="No SVHC", RoHSCompliant=true, Voltage Rating (DC)="50 V"
FID1 FID2 FID3: "FIDUCIAL NO ASSEMBLY", Manufacturer 1=NONE, Manufacturer Part Number 1=NONE
J1: "Connector", Manufacturer_Name=Molex, Mouser Part Number=538-15-92-2080, Datasheet Link=https://componentsearchengine.com/Datasheets/1/15-92-2080.pdf, Height=9.33mm, Manufacturer_Part_Number=15-92-2080, Mouser Price/Stock=https://www.mouser.com/Search/Refine.aspx?Keyword=538-15-92-2080
L1: library part CMP-2000-07143-1, "Semi-Shielded Power Inductor, 100 uH, -40 to 125 degC, 2-Pin SMD, RoHS, Tape and Reel", Current, Rating="1 /  / A", Inductance="100 µH", Manufacturer=Bourns, Package Description="2-Pin Surface Mount Device, Body 8 x 8 mm", Tolerance="±20 /  / %", Brand/Series=SRN8040Series, Datasheet URL=http://www.produktinfo.conrad.com/datenblaetter/1000000-1099999/001056456-da-01-en-MAG_ABG_LEIST_IND_SRN8040_101M_100UH_SMD.pdf, Datasheet Version=08/2013, Manufacturer URL=http://www.bourns.com/, Mounting Technology=SurfaceMount, Package Reference=SRN8040-101M, Termination=SMT, Type=Power
P1: library part CMP-1029-00099-1, "High Reliability Cable Header, Through-hole, Vertical, -55 to 125 degC, 2 mm Pitch, 40-Pin, Male, RoHS", Manufacturer=Samtec, Temperature Range="-55 to 125 degC", ComponentLink1Description="Manufacturer URL", ComponentLink1URL=http://www.samtec.com, ComponentLink2Description=Datasheet, ComponentLink2URL=http://d2a072wq521u33.cloudfront.net/catalog_english//t2m.pdf, ComponentLink3Description="Package Specification", ComponentLink3URL=http://www.samtec.com/documents/webfiles/cpdf/T2M-1XX-XX-X-D-XX-XX-MKT.pdf, DatasheetVersion=F-214, Mounting Technology=Through-hole, Orientation=Vertical, PackageDescription="2mm Shrouded Terminal Strip", PackageReference=T2M-120-01-X-D-TH, PackageVersion="V, 3/2009", PartNumber=T2M-120-01-L-D-TH, Pitch="2 mm", RoHS=True
P2: library part CMP-1502-00015-1, "Male Box Header WR-BHD, THT, Vertical, pitch 2.54 mm, 40 pins", Contact Resistance=20mOhm, Manufacturer="Wurth Elektronik", Operating Temperature=-40to125degC, Withstanding Voltage=500VAC, Working Voltage=250VAC, Datasheet URL=https://katalog.we-online.de/em/datasheet/6120xx21621.pdf, Gender=Male, Manufacturer URL=http://www.we-online.de, Mounting Technology=THT, Orientation=Vertical, Package Reference=61204021621, Packaging=Tray, Part Number=61204021621, Pin Number=40, Pitch=2.54mm, Published Date=August2018, Publisher=WurthElektronik
Q1: library part CMP-2000-05111-1, "N-Channel MOSFET Transistor, 8 V VGSS, 25 V VDSS, 0.68 A, -55 to 150 degC, 3-Pin SOT23, RoHS, Tape and Reel", Manufacturer=Fairchild, Maximum Continuous Drain Current=0.68A, Maximum Drain Source Voltage=25V, Maximum Gate Source Voltage=8V, Operating Temperature=-55to150degC, Package=3SOT-23, Category=MOSFET, Channel Mode=Enhancement, Channel Type=N, Datasheet URL=https://datasheet.ciiva.com/22681/1845307-22681736.pdf, Datasheet Version="Rev. D2, 07/2014", Manufacturer URL=https://www.fairchildsemi.com/, Mounting=SurfaceMount, Packaging=Tape&Reel, Rad Hard=No, RDS-on=450@4.5VmOhm, Typical Fall Time=13ns, Typical Rise Time=8.5ns, Typical Turn-Off Delay Time=17ns, Typical Turn-On Delay Time=3ns
R1 R7 R8 R9 R10 R11 R12 R13 R14 R15 R16 R17 R18 R19 R20 R21 R22 R23 R24 R25 R26 R27 R28 R29 R30 R31 R32 R33 R34 R35 R36 R37 R38 R39 R40 R41 R42 R45 R46 R47 R48 R49 R50 R51 R52 R53 R54 R55 R56 R57 R58 R59 R60 R61 R65: library part CMP-2000-00703-1, Manufacturer=Panasonic, Part Number=ERJ-3GEYJ102V
R2 R3 R62 R63 R66: library part CMP-2000-00700-1, Manufacturer=Panasonic, Part Number=ERJ-3GEY0R00V
R4 R5 R6: library part CMP-2000-00270-1, Manufacturer=Panasonic, Part Number=ERJ3EKF1601V
R43: library part CMP-2000-00870-1, Manufacturer=Panasonic, Part Number=ERA3AEB101V
R44: library part CMP-2000-06229-1, "Precision Thick Film Chip Resistor, 2.2 kOhm, 100 mW, 1%, -55 to 155 degC, 2-Pin SMD (0402), RoHS, Tape and Reel", Manufacturer=Panasonic, Package Description="2-Pin Surface Mount Device, Body 1 x 0.5 mm", Package Reference=0402, Rated Power=0.1W, Resistance=2.2kO, Temp Coefficient=±100ppm/°C, Tolerance (%)=±1%, Datasheet URL=https://datasheet.ciiva.com/11821/0900766b80f80784-11821273.pdf, Datasheet Version=03/2011, Manufacturer URL=http://www.panasonic.com/, Mounting Technology=SurfaceMount, Size Code=0402
R64 R67: library part CMP-2000-00195-1, Manufacturer=Panasonic, Part Number=ERJ-3EKF10R0V
SW1 SW2 SW3 SW4 SW5 SW6 SW7 SW8 SW9 SW10 SW11 SW12 SW13 SW14 SW15 SW16: "SWITCH Tactile Switch SPST-NO Top Actuated Surface Mount", Digikey Part Number=FSM8JSMA-ND, Manufacturer=TE, MAX CONTACT RATING="50mA @ 25V DC", MIN CONTACT RATING="10uA @ 1V DC", Mouser Part Number=506-3-1437566-8, Package=SMT_6MM0_6MM0, Part Number=3-1437566-8, Temperature="-35°C to +85°C", Temperature Range High=+85°C, Temperature Range Low=-35°C, Circuit=SPST-NO, ComponentLink1Description=Upverter, ComponentLink1URL=https://upverter.com/upn/revision/888303415c12e25b/, ComponentLink2Description=Datasheet, ComponentLink2URL=http://www.te.com/commerce/DocumentDelivery/DDEController?Action=showdoc&DocId=Customer+Drawing%7F2-1437565-7%7FV%7Fpdf%7FEnglish%7FENG_CD_2-1437565-7_V.pdf%7F3-1437566-8, Digikey Description="SWITCH Tactile Switch SPST-NO Top Actuated Surface Mount", helpURL=https://upverter.com/upn/revision/888303415c12e25b/, Lead Free=yes, RoHS=TRUE, Supplier 1=Digi-Key, Supplier 2=Mouser, Supplier Part Number 1=FSM8JSMA-ND, Supplier Part Number 2=506-3-1437566-8
TP1 TP2 TP3 TP4 TP5 TP6 TP7 TP8: library part TP, "TEST POINT", Manufacturer 1=N/A, Manufacturer Part Number 1=N/A
U1: library part CMP-2000-04956-1, "Bidirectional Voltage-Level Translator for Open-Drain and Push-Pull Application, 8 bit, 1.2 to 3.6 V, -40 to 85 degC, 20-Pin TSSOP, Green (RoHS & no Sb/Br), Tape and Reel", Logic Case Style=TSSOP, Manufacturer="Texas Instruments", Operating Temperature Max=85degC, Operating Temperature Min=-40degC, Output Current=620µA, Supply Voltage Max=5.5V, Supply Voltage Min=1.2V, Datasheet URL=https://datasheet.ciiva.com/14287/txs0108e-14287280.pdf, Datasheet Version="Rev. B, 09/2008", Logic Type=VoltageLevelTranslator, Manufacturer URL=http://www.ti.com/, MSL=MSL1-Unlimited, No. of Inputs=8, No. of Pins=20, Packaging=CutTape, Propagation Delay=4.8ns, SVHC=NoSVHC(16-Jun-2014)
U2: "Integrated Circuit", Manufacturer_Name="Texas Instruments", Mouser Part Number=595-ADS1015BQDGSRQ1, Datasheet Link=http://www.ti.com/lit/gpn/ads1015-q1, Height=1.1mm, Manufacturer_Part_Number=ADS1015BQDGSRQ1, Mouser Price/Stock=https://www.mouser.com/Search/Refine.aspx?Keyword=595-ADS1015BQDGSRQ1, Supplier 1=Digi-Key
U3: library part CMP-0694-00006-2, "3.3 V Supply RS-485 with IEC ESD Protection, 0.25 Mbps, -40 to 125 degC, 8-Pin SOIC, RoHS, Tube", Manufacturer="Texas Instruments", Operating Temperature Range="-40 to 125 degC", ComponentLink1Description="Manufacturer URL", ComponentLink1URL=http://www.ti.com/, ComponentLink2Description=Datasheet, ComponentLink2URL=http://www.ti.com/lit/ds/sllse11c/sllse11c.pdf, ComponentLink3Description="Package Specification", ComponentLink3URL=http://www.ti.com/lit/ds/sllse11c/sllse11c.pdf, DatasheetVersion=SLLSE11C, ESD="15 kV", ICC (Max) (mA)=0.95, Mounting Technology="Surface Mount", No. of RX=1, No. of TX=1, PackageDescription="8-Pin Plastic Small Outline, Body 4.9 x 3.9 mm, Pitch 1.27 mm", PackageReference=D0008A, PackageVersion=4040047-3/M, Packing=Tube, PartNumber=SN65HVD72D, RoHS=TRUE, Signaling Rate (Max) (Mbps)=0.25, VCC="3 to 3.6 V", VI="-7 to 12 V"
U4 U8: library part CMP-1269-00003-1, "I2C-Bus I/O Port Expansion, 40-Bit, 2.3 to 5.5 V, -40 to 85 degC, 56-Pin TSSOP (SOT364-1), RoHS, Reel", Manufacturer="NXP Semiconductors", Operating Temperature Range="-40 to 85 degC", ComponentLink1Description="Manufacturer URL", ComponentLink1URL=http://www.nxp.com/, ComponentLink2Description=Datasheet, ComponentLink2URL=http://www.nxp.com/documents/data_sheet/PCA9505_9506.pdf, ComponentLink3Description="Package Specification", ComponentLink3URL=http://www.nxp.com/documents/outline_drawing/sot364-1_po.pdf, DatasheetVersion="Rev. 4", fSCL@Fast mode="400 kHz Max.", fSCL@Standard mode="100 kHz Max.", IDD@5.5V="3.5 mA Max.", Mounting Technology="Surface Mount", Nr of Bits=40, PackageDescription="56-Pin Plastic Thin Shrink Small Outline Package, Body 14 x 6.1 mm, Pitch 0.50 mm", PackageVersion=Feb-03, Packing=Reel, PartNumber=PCA9698DGG,518, RoHS=TRUE, VDD="2.3 to 5.5 V"
U5 U6 U7: library part CMP-2000-07354-1, "Darlington Transistor Array, -40 to 85 degC, 18-Pin SOIC (DW), Green (RoHS & no Sb/Br), Tape and Reel", Manufacturer="Texas Instruments", Package / Case="18-SOIC(0.295\",7.50mmWidth)", Package Description="18-Pin Plastic Small Outline, Body 11.55 x 7.5 mm, Pitch 1.27 mm", Package Reference=DW18, Package Version="4040000-3/G, 01/2011", PartNumber=ULN2803A, Standard Package=1, Supplier Device Package=18-SOIC, Voltage - Supply=5V, Category=IntegratedCircuits(ICs), Datasheet URL=http://www.ti.com/lit/ds/symlink/uln2803a.pdf, Datasheet Version="Rev. G, 01/2015", Dynamic Catalog=DarlingtonArrays, Family=Interface-Drivers,Receivers,Transceivers, IR Max=50uA, Manufacturer URL=http://www.ti.com/, Mounting Technology=SurfaceMount, Mounting Type=SurfaceMount, Number of Drivers/Receivers=8/0, Other Names=296-15777-6, Package URL=http://www.ti.com/lit/ml/mpds172a/mpds172a.pdf, Packaging=Digi-Reel®, Protocol=-, Series=-, Type=DarlingtonArray, VF=1.7V
U9: library part CMP-0244-00109-1, "Fixed Low Drop Positive Voltage Regulator, 5V, 3-Pin DPAK, Tape and Reel", ComponentLink1Description="Manufacturer URL", ComponentLink1URL=http://www.st.com, ComponentLink2Description=Datasheet, ComponentLink2URL=http://www.st.com/internet/com/TECHNICAL_RESOURCES/TECHNICAL_LITERATURE/DATASHEET/CD00000544.pdf, DatasheetVersion=1/11/2011, PackageDescription="3-Pin Transistor Outline Package 2.28 mm Pitch, 9.7 mm Lead Span (DPAK)", PackageReference=TO-252, PackageVersion=2011
U10: library part CMP-0244-00088-1, "Fixed Low Drop Positive Voltage Regulator, 3.3V, 3-Pin DPAK, Tape and Reel", ComponentLink1Description="Manufacturer URL", ComponentLink1URL=http://www.st.com, ComponentLink2Description=Datasheet, ComponentLink2URL=http://www.st.com/internet/com/TECHNICAL_RESOURCES/TECHNICAL_LITERATURE/DATASHEET/CD00000544.pdf, DatasheetVersion=1/11/2011, PackageDescription="3-Pin Transistor Outline Package 2.28 mm Pitch, 9.7 mm Lead Span (DPAK)", PackageReference=TO-252, PackageVersion=2011
Z1 Z2 Z3 Z4 Z5 Z6 Z7 Z8 Z9 Z10 Z11 Z12: "PCB HOLE", Manfucturer Part Number 1=N/A, Manfucturer 1=N/A

## Via types
v1: diameter 28, hole 15, Top Layer to Bottom Layer, 98 vias
v2: diameter 28, hole 12, Top Layer to Bottom Layer, tented both sides, 44 vias
v3: diameter 50, hole 18, Top Layer to Bottom Layer, 36 vias
v4: diameter 28, hole 12, Top Layer to Bottom Layer, 15 vias

## Nets (pads, with @x,y where several pads share a name; then routed paths per layer and width w, separated by ;. In a path a pad name is that pad's centre, name@x,y a point inside that pad or via, vN(x,y) a via of type N, cw(c..) or ccw(c..) an arc to the next point about the centre after c; other vN are vias at no path point)
485_DT+: D14.2 J1.52 R43.2 R64.2 | length 1569.4
  Top Layer w8: R64.2@4195,353.54 4197.95,353.54 4250.85,406.44 4250.85,412.62 D14.2@4262.6,424.37 4262.6,422.4 4300,385 4432.76,385 R43.2@4435,382.76 4472.76,382.76 4505,415 5530,415 J1.52@5650,535
485_DT-: D14.1 J1.50 R43.1 R44.2 R67.2 | length 1666.9
  Top Layer w8: v4(4205,405) 4205,425 4240,460 4303.74,460 4337.4,426.34 D14.1@4337.4,424.37 4343.03,430 R43.1@4435,430 4475,430 4480,435 5525,435 5600,510 J1.50@5600,610
  Bottom Layer w8: R67.2@4148.54,375 R44.2@4204.25,375 4204.63,375.37 4204.63,404.63 v4(4205,405)
485_TX_ENA: P2.11 R62.1 R63.1 U1.12 | length 4576.7
  Top Layer w8: P2.11@670,1680 678.38,1680 803,1555.38 v1(803,1523) ; v1(768,1324) 848,1404 860,1404 3417,1404 3470,1351 3470,1233.62 3557,1146.62 3557,1114 ; U1.12@3614,1117.82 3612.09,1115.91 3558.91,1115.91 3557,1114 ; R63.1@3720,281.57 R62.1@3720,345 3690,345 3685,350 3685,420 3755,490 3755,1003 3721.5,1036.5 3581.5,1036.5 3557,1061 3557,1114
  Bottom Layer w8: v1(768,1324) 803,1359 v1(803,1523)
485_TX_ENA_1V8: P1.9 U1.9 | length 4372.2
  Top Layer w8: P1.9@221,758.34 139,840.34 139,1084 168,1113 317,1113 374,1056 374,661 409,626 690,626 748,684 748,904 961.82,1117.82 U1.9@3373.84,1117.82